# KiCad board misrc_v2.5-rounded.kicad_pcb (continued)
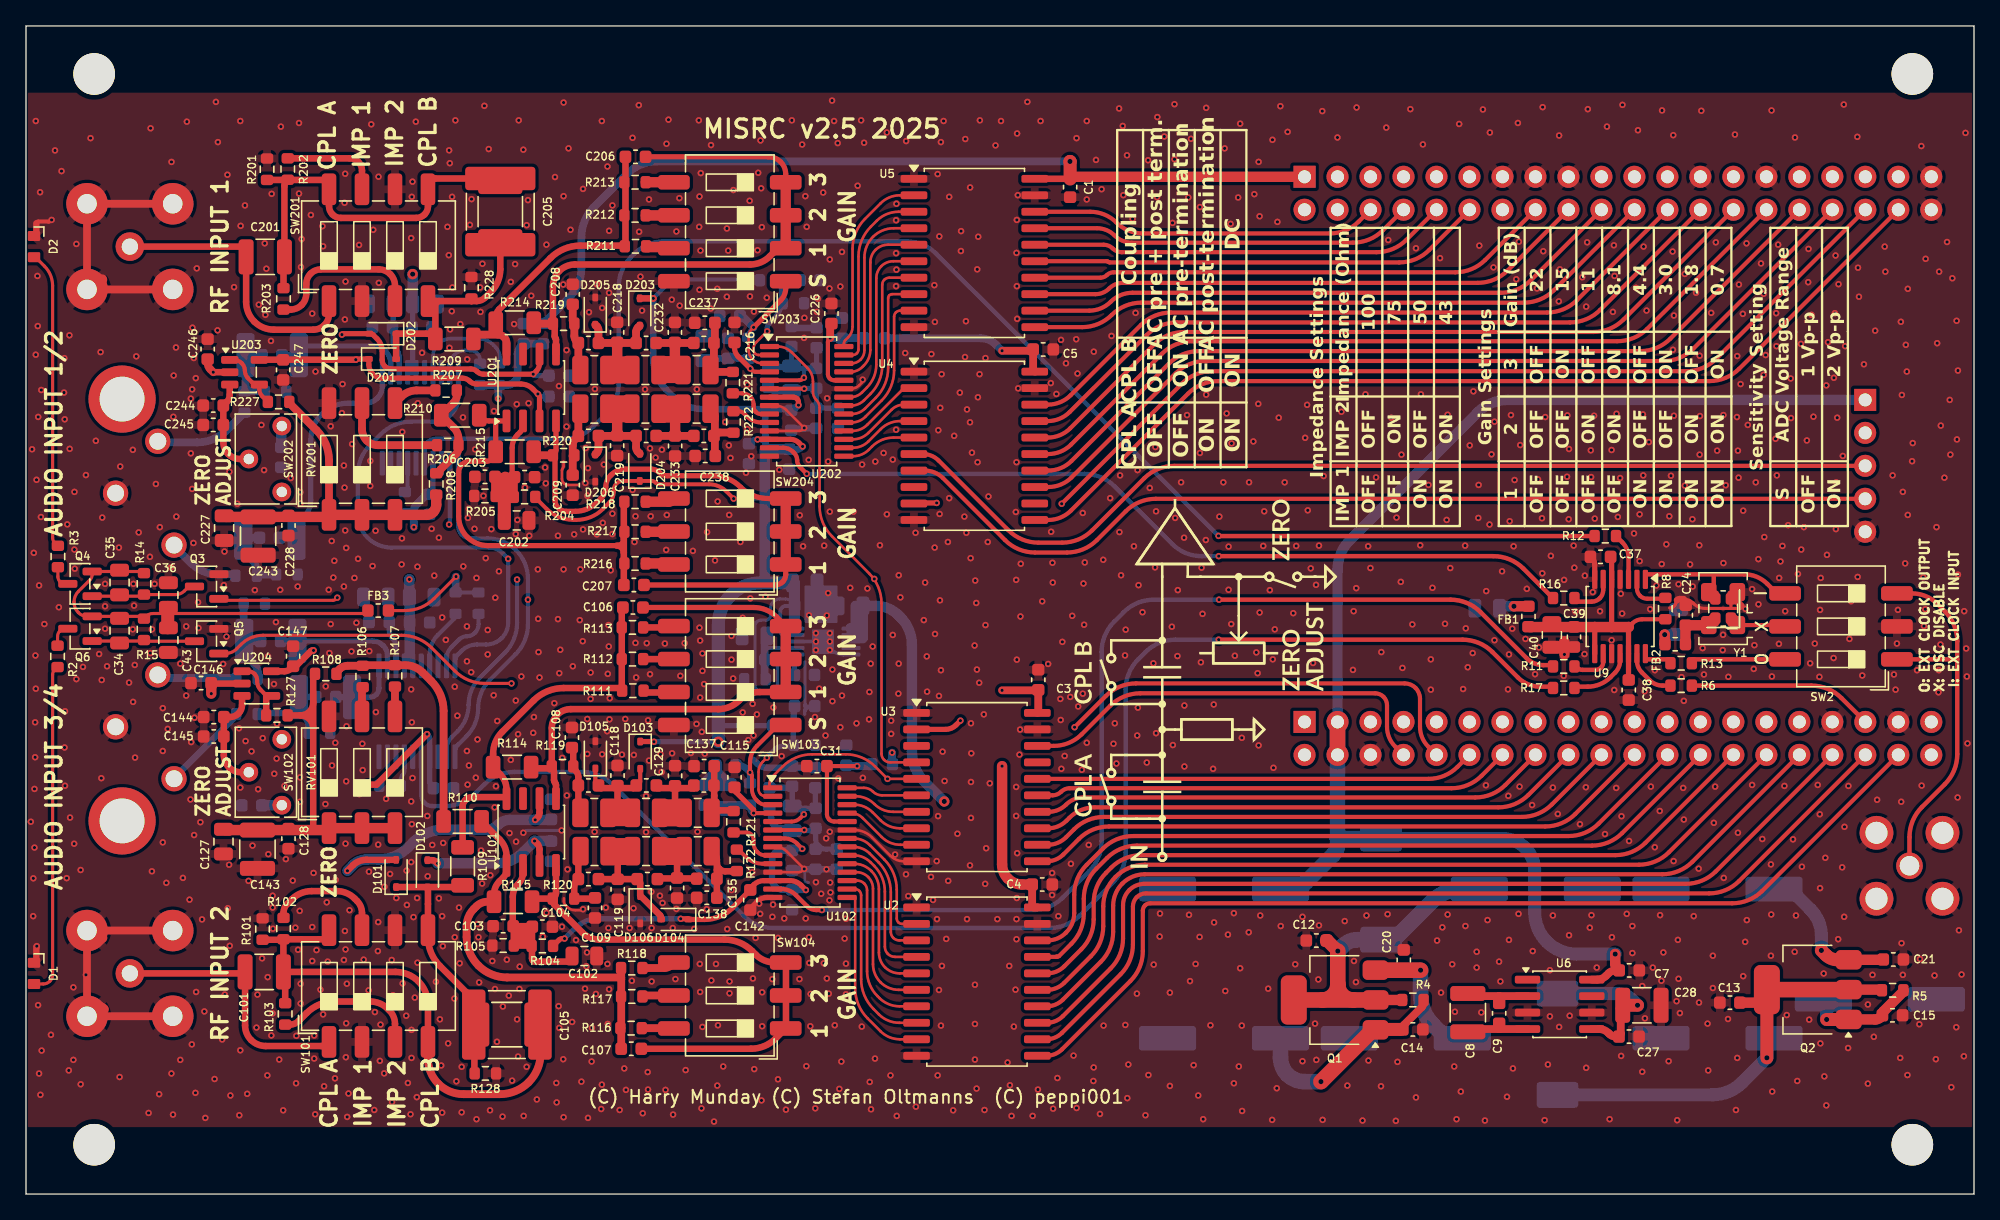
[diagram p0: board, top side]
## Routing (per net, layer and track width the routed paths; a pad name or vN(x,y) marks a point on that pad's centre or on a via; arc(x,y) is an arc through that point) (continued)
VCCQ: length 66.8
  Top w0.24: FB3.1 29.2,44.96 arc(30.4,45.2) 31.41,45.87 v1(33.12,47.57)
  Top w0.5: v1(26.31,31.55) 26.99,31.55 v1(30.88,35.43)
  In1.Cu w0.4: v1(26.31,31.55) 26.28,31.55
  In1.Cu w0.6: v1(36.37,61.29) 34.77,61.29 arc(33.52,61.04) 32.46,60.33 30.82,58.69 arc(30.11,57.63) 29.86,56.38 v1(29.86,51.38) 29.86,51.1 arc(29.92,50.85) 30.06,50.63 v1(33.12,47.57) 31.84,46.29 arc(31.13,45.24) 30.88,43.99 v1(30.88,35.43)
  Bottom w0.32: R408.1 33.09,46.35 arc(33.08,46.35) 33.08,46.35
  Bottom w0.4: v1(30.88,35.43) 30.98,35.33 arc(31.06,35.22) 31.08,35.08 31.08,31.75 arc(31.12,31.57) 31.23,31.41 C309.2 ; v1(26.31,31.55) 27.18,31.55 arc(27.2,31.54) 27.21,31.54 27.22,31.53 ; 31.34,56.31 31.34,54.11
  Bottom w0.5: 35.24,62.24 35.41,62.24 ; 35.39,62.35 35.39,62.34 arc(35.39,62.34) 35.39,62.34
  Bottom w0.6: v1(33.12,47.57) 33.1,47.55 arc(33.08,47.53) 33.08,47.51 33.08,46.36 arc(33.08,46.35) 33.08,46.35 ; FB301.2 39.81,65.51 arc(39.81,65.52) 39.8,65.52 38.65,65.52 arc(38.35,65.46) 38.09,65.29 arc(37.92,65.04) 37.86,64.74 37.86,63.15 arc(37.8,62.84) 37.63,62.58 arc(37.37,62.4) 37.06,62.34 36.45,62.34 ; 36.45,62.34 36.38,62.34 ; 36.45,62.34 arc(36.42,62.34) 36.39,62.32 ; 36.38,62.34 35.39,62.34 ; 36.38,62.34 arc(36.4,62.33) 36.39,62.32 ; v1(36.37,61.29) 36.37,62.26 arc(36.37,62.29) 36.39,62.32 ; C409.2 30.97,53.92 arc(30.88,53.9) 30.81,53.85 30.03,53.08 arc(29.91,52.89) 29.86,52.67 v1(29.86,51.38)
  Bottom w0.8: R305.1 29.65,52.43
VDD: length 248
  Top w0.2: 77.47,37.07 U3.20 arc(77.93,37.08) 77.97,37.11 78.02,37.15
  Top w0.5: 77.47,78.22 80.38,78.22
  Top w0.6: v1(75.16,38.81) 77.88,38.81 arc(77.91,38.82) 77.93,38.83 arc(77.94,38.83) 77.95,38.82 77.95,37.19 arc(77.94,37.15) 77.91,37.11 U3.20 ; U2.20 77.61,22.08 arc(77.56,22.09) 77.51,22.12 arc(77.49,22.17) 77.48,22.22 C4.1 ; 77.68,63.36 77.61,63.43 arc(77.57,63.49) 77.55,63.57 77.55,65 arc(77.53,65.03) 77.5,65.02 arc(77.45,64.99) 77.38,64.97 v1(75.16,64.97)
  Top w0.8: FB2.1 126.19,42.38 arc(126.18,42.39) 126.18,42.41 v2(126.18,43.1) ; J2.1 80.44,78.38 arc(80.42,78.38) 80.41,78.37 C1.1 ; v1(75.16,32.97) 75.16,25.4 arc(75.28,24.81) 75.61,24.3 arc(76.12,23.97) 76.71,23.85 C4.1 ; v2(114.57,45.29) FB1.1
  Top w1: v2(80.39,79.56) 80.39,79.56 arc(80.4,79.55) 80.4,79.54 80.4,78.21
  In1.Cu w0.6: v1(66.69,34.01) 67.21,33.49 arc(67.79,33.1) 68.47,32.97 v1(75.16,32.97) 75.15,32.97
  In1.Cu w0.8: J5.2 140.71,58.65 arc(139.86,58.48) 139.15,58 132.7,51.55 arc(131.99,50.49) 131.74,49.24 131.74,47.22 arc(131.49,45.97) 130.79,44.92 129.93,44.06 arc(128.87,43.35) 127.62,43.1 v2(126.18,43.1) 124.16,43.1 arc(123.77,43.18) 123.45,43.4 arc(123.13,43.61) 122.75,43.69 119.46,43.69 arc(118.42,43.9) 117.53,44.49 117.5,44.52 arc(116.65,45.09) 115.65,45.29 v2(114.57,45.29) 106.38,45.29 arc(105.13,45.04) 104.07,44.33 99.28,39.54 arc(98.66,38.63) 98.45,37.55 J1.1
  In1.Cu w1: 75.16,39.75 v1(75.16,38.81) v1(75.16,32.97) ; 75.16,39.75 v1(75.16,64.97) 75.16,76.35 arc(75.4,77.58) 76.1,78.62 arc(77.14,79.32) 78.37,79.56 v2(80.39,79.56) ; 75.16,39.75 90.51,39.75 arc(91.76,39.5) 92.82,38.79 94.28,37.33 arc(95.34,36.62) 96.59,36.38 J1.1
  Bottom w0.6: 66.12,65.95 66.12,65.94 arc(66.12,65.94) 66.12,65.94 73.51,65.94 arc(74.14,65.81) 74.68,65.46 v1(75.16,64.97) ; FB301.1 39.83,67.08 arc(39.85,67.08) 39.86,67.09 41.81,69.05 arc(42.52,70.1) 42.77,71.35 42.77,73.73 arc(43.02,74.98) 43.72,76.04 46.29,78.61 arc(47.35,79.31) 48.6,79.56 v2(80.39,79.56) ; FB101.1 66.71,33.13 arc(66.7,33.15) 66.69,33.16 v1(66.69,34.01)
  Bottom w0.8: C42.1 127.24,43.11 arc(127.23,43.11) 127.22,43.1 v2(126.18,43.1) ; C41.1 113.54,45.21 arc(113.63,45.27) 113.73,45.29 v2(114.57,45.29)
VDDA: length 168.3
  Top w0.3: v1(54.49,53.58) 53.94,54.13 arc(53.32,54.54) 52.6,54.69 48.79,54.69 arc(48.62,54.72) 48.48,54.81 arc(48.34,54.91) 48.17,54.94 D204.1 45.96,54.94 arc(45.69,54.89) 45.46,54.74 arc(45.31,54.51) 45.26,54.24 45.26,54.08 arc(45.17,53.65) 44.93,53.3 44.42,52.78 arc(43.49,52.16) 42.39,51.94 42.16,51.94 arc(41.03,52.17) 40.08,52.8 39.23,53.65 arc(39.22,53.67) 39.22,53.69 R204.2 ; 59.83,26.6 59.83,26.65
  Top w0.32: v1(59.78,26.6) 59.38,27 arc(58.93,27.3) 58.41,27.4 U102.7
  Top w0.4: v1(50.41,21.21) 50.96,21.21 arc(50.98,21.2) 51,21.19 51.01,21.18 ; v1(59.8,57.6) 59.53,57.88 arc(59.22,58.08) 58.86,58.15 U202.12 56.37,58.15 arc(56.37,58.15) 56.36,58.14 56.36,58.14 ; D103.1 48.33,34.86 arc(48.34,34.86) 48.35,34.86 v1(48.36,34.85) ; D104.1 52.25,21.15 arc(53.4,21.38) 54.37,22.03 C142.1 ; U202.7 59.09,61.4 arc(59.24,61.37) 59.37,61.28 arc(59.45,61.16) 59.48,61.01 v1(59.48,60.78) ; R104.2 41.04,19.57 arc(41.16,19.66) 41.31,19.68 v1(41.47,19.68) ; 57.25,24.15 58.81,24.15 arc(59.29,24.06) 59.69,23.79 v1(60.05,23.42) ; U102.12 56.82,24.15 arc(56.4,24.07) 56.04,23.83 55.72,23.51
  Top w0.5: D203.1 48.3,69.01 arc(48.3,69.01) 48.3,69.01 v1(48.3,69.01)
  In1.Cu w0.8: v2(53.31,34.85) 53.31,27.34 arc(53.56,26.09) 54.26,25.03 54.91,24.38 arc(55.97,23.67) 57.22,23.42 v1(60.05,23.42)
  Bottom w0.24: 59.19,41.57 58.22,41.57 arc(58.08,41.54) 57.96,41.46 arc(57.88,41.34) 57.85,41.2 57.85,39.11 arc(57.83,38.98) 57.75,38.86 arc(57.64,38.79) 57.51,38.76 56.56,38.76 arc(56.4,38.8) 56.25,38.89 arc(56.16,39.03) 56.13,39.2 56.13,43.75 arc(56.16,43.93) 56.27,44.08 arc(56.42,44.19) 56.6,44.22 56.97,44.22 arc(57.11,44.25) 57.22,44.33 arc(57.29,44.44) 57.32,44.57 57.32,45.11 arc(57.38,45.39) 57.54,45.63 arc(57.78,45.79) 58.06,45.85 58.47,45.85 arc(58.73,45.8) 58.96,45.65 59.16,45.44
  Bottom w0.28: U7.9 58.38,43.07 arc(58.27,43.09) 58.17,43.16 arc(58.11,43.25) 58.08,43.37 58.08,44.88 arc(58.12,45.05) 58.21,45.19 arc(58.35,45.28) 58.52,45.32 C26.1 ; 59.19,41.57 arc(59.2,41.56) 59.2,41.54 arc(59.18,41.51) 59.17,41.47
  Bottom w0.3: v1(54.49,53.58) 56.87,53.58 arc(56.88,53.58) 56.88,53.59 arc(56.89,53.59) 56.89,53.6
  Bottom w0.32: R224.1 56.48,70.44 arc(56.45,70.46) 56.41,70.47 50.79,70.47 arc(49.84,70.28) 49.03,69.74 v1(48.3,69.01)
  Bottom w0.4: 59.17,41.47 C33.2 ; 59.83,26.6 59.06,26.6 arc(59.02,26.58) 59,26.54 arc(58.98,26.49) 58.94,26.47 ; v2(53.31,34.85) v1(48.36,34.85) ; v1(41.47,19.68) 42.23,20.45 arc(43.08,21.01) 44.07,21.21 v1(50.41,21.21) ; R124.1 53.31,36.09 ; C242.1 55.87,58.01 arc(56.01,58.11) 56.18,58.14 56.65,58.14 arc(56.85,58.23) 56.94,58.43
  Bottom w0.5: v1(60.05,23.42) 59.04,23.42 arc(59.03,23.43) 59.01,23.44 arc(59,23.45) 58.98,23.45 58.26,23.45 arc(57.95,23.51) 57.69,23.69 arc(57.51,23.95) 57.45,24.26 57.45,25.77 arc(57.5,26.04) 57.66,26.27 arc(57.88,26.42) 58.15,26.47 58.94,26.47 ; v1(59.48,60.78) 59.22,60.53 ; v1(59.8,57.6) 59.69,57.49 arc(59.56,57.4) 59.42,57.38 58.6,57.38 ; 56.94,60.48 52.15,60.48 arc(50.9,60.73) 49.84,61.43 49.26,62.01 arc(48.55,63.07) 48.3,64.32 v1(48.3,69.01) ; 56.94,60.48 arc(56.94,60.48) 56.94,60.48 ; 56.94,60.48 arc(56.94,60.48) 56.94,60.48 ; 56.94,60.48 58.79,60.48 arc(58.84,60.47) 58.89,60.44 C225.1 ; 56.94,60.48 56.94,57.85 ; 56.94,57.85 56.94,57.41 arc(56.95,57.38) 56.97,57.38 ; 56.94,57.85 arc(56.85,58.05) 56.65,58.14
  Bottom w0.8: 58.6,57.38 56.97,57.38 arc(56.94,57.37) 56.91,57.35 ; 56.89,53.58 56.89,57.29 arc(56.9,57.32) 56.91,57.35 ; 56.89,53.58 56.89,47.07 ; 56.89,53.58 arc(56.89,53.59) 56.88,53.59 ; 56.91,57.35 arc(56.93,57.38) 56.94,57.41
  Bottom w1: v2(53.31,34.85) 53.31,43.84 arc(53.56,45.08) 54.26,46.14 arc(55.32,46.84) 56.56,47.09 C25.1
  vias: v1(56.33,58.14)
VDDF: length 3.3
  Top w0.8: 129.42,43.69 129.57,43.83 arc(129.56,43.82) 129.55,43.82 C24.1 ; FB2.2 127.78,43.75
/Audio_ADC/BCK1: length 116.4
  Top w0.32: J1.10 107.97,34.47 arc(107.51,35.17) 107.34,36 107.34,38.16 arc(107.25,38.61) 106.99,39 arc(106.61,39.25) 106.16,39.34 85.47,39.34 arc(84.22,39.1) 83.16,38.39 v1(80.74,35.97)
  In2.Cu w0.32: v1(80.74,35.97) 80.24,35.47 arc(79.7,35.1) 79.05,34.98 72.9,34.98 arc(72.24,35.11) 71.67,35.48 arc(71.3,36.05) 71.16,36.71 71.16,46.31 arc(71.01,47.1) 70.55,47.78 arc(69.88,48.23) 69.08,48.39 56.16,48.39 arc(54.91,48.14) 53.85,47.43 53.17,46.75 arc(52.11,46.04) 50.86,45.8 v1(38.65,45.8)
  Bottom w0.32: 33.29,56.31 33.29,51.44 arc(33.36,51.09) 33.56,50.79 arc(33.86,50.59) 34.21,50.52 35.53,50.52 arc(36.73,50.28) 37.74,49.61 arc(38.41,48.59) 38.65,47.4 v1(38.65,45.8) 38.65,43.9 arc(38.4,42.65) 37.7,41.59 35.72,39.61 arc(35.05,38.61) 34.82,37.44 34.82,37.43 arc(34.59,36.26) 33.93,35.28 33.28,34.63 arc(33.1,34.36) 33.03,34.04 33.03,33.69
/Audio_ADC/DOUT1: length 62.8
  Top w0.4: 68.17,35.8 70.8,35.8 arc(71.24,35.89) 71.61,36.14 v1(71.95,36.47)
  In2.Cu w0.32: v1(71.95,36.47) 71.95,46.26 arc(71.73,47.36) 71.11,48.28 arc(70.19,48.91) 69.09,49.12 55.8,49.12 arc(54.55,48.87) 53.49,48.17 52.82,47.49 arc(51.76,46.78) 50.51,46.53 38.05,46.53 arc(36.8,46.78) 35.74,47.49 32.91,50.31 arc(32.67,50.68) 32.58,51.12 v1(32.58,51.59)
  Bottom w0.32: 32.64,56.31 32.64,51.68 arc(32.63,51.65) 32.61,51.62 v1(32.58,51.59)
/Audio_ADC/DOUT2: length 51.9
  Top w0.4: v1(70.12,53.25) 68.25,53.25 arc(68.22,53.24) 68.2,53.23 68.17,53.2
  In2.Cu w0.32: v1(70.12,53.25) 57.59,53.25 arc(56.34,53) 55.29,52.29 51.29,48.3 arc(50.23,47.59) 48.98,47.34 v1(37.81,47.34)
  Bottom w0.32: 32.38,33.69 32.38,34.25 arc(32.49,34.76) 32.78,35.2 33.23,35.65 arc(33.86,36.59) 34.08,37.7 34.08,37.71 arc(34.3,38.82) 34.93,39.77 36.86,41.69 arc(37.57,42.75) 37.81,44 v1(37.81,47.34)
/Audio_ADC/LRCK1: length 156.2
  Top w0.32: v1(79.75,53.19) 89,62.44 arc(90.06,63.15) 91.31,63.4 127.84,63.4 arc(129.09,63.65) 130.14,64.35 J2.36
  In2.Cu w0.32: v1(79.75,53.19) 77.49,53.19 arc(76.67,53.35) 75.97,53.82 arc(75.27,54.29) 74.44,54.45 54.42,54.45 arc(53.18,54.2) 52.12,53.49 48.52,49.9 arc(47.46,49.19) 46.22,48.95 v1(37.13,48.95)
  Bottom w0.32: 33.29,63.32 33.29,61.37 arc(33.15,60.66) 32.74,60.06 arc(32.14,59.65) 31.43,59.51 29.64,59.51 arc(28.39,59.26) 27.33,58.56 26.5,57.72 arc(25.79,56.67) 25.55,55.42 25.55,52.41 arc(25.74,51.41) 26.31,50.57 arc(27.15,50.01) 28.15,49.81 35.65,49.81 arc(36.22,49.7) 36.7,49.38 v1(37.13,48.95) 37.13,44.03 arc(37,43.39) 36.63,42.84 arc(36.08,42.47) 35.44,42.34 34.73,42.34 arc(34.08,42.21) 33.53,41.84 33.26,41.57 arc(33.09,41.32) 33.03,41.02 33.03,40.7
/Audio_ADC/SCKI1: length 112.5
  Top w0.338: R12.2 91.84,50.7
  Bottom w0.338: U301.15 30.69,57.34 arc(30.75,57.67) 30.94,57.94 arc(31.21,58.13) 31.54,58.19 41.39,58.19 arc(42.64,58.44) 43.7,59.15 44.68,60.13 arc(45.39,61.19) 45.64,62.44 45.64,69.89 arc(45.89,71.14) 46.59,72.2 46.84,72.45 arc(47.9,73.16) 49.15,73.41 67.78,73.41 arc(69.03,73.16) 70.09,72.45 v1(91.83,50.71)
/Audio_ADC/SCKI2: length 114.9
  Top w0.338: v1(91.84,42.71) 110.61,42.71 arc(111.86,42.46) 112.92,41.76 114.88,39.8 arc(115.66,39.28) 116.58,39.09 117.58,39.09
  Bottom w0.338: 30.43,33.69 30.43,30.74 arc(30.5,30.42) 30.68,30.14 arc(30.96,29.96) 31.28,29.9 32.28,29.9 arc(33.52,30.14) 34.58,30.85 35.3,31.57 arc(36.35,32.28) 37.6,32.52 42.82,32.52 arc(44.07,32.28) 45.13,31.57 55.25,21.45 arc(56.31,20.75) 57.56,20.5 78.83,20.5 arc(80.08,20.75) 81.14,21.45 83.72,24.04 arc(84.43,25.1) 84.68,26.35 84.68,38.88 arc(84.93,40.13) 85.63,41.19 86.2,41.76 arc(87.26,42.46) 88.51,42.71 v1(91.84,42.71)
/AUX1: length 77.1
  Top w0.32: J5.4 86.99,53.57 arc(85.75,53.32) 84.69,52.61 82.46,50.38 arc(81.4,49.68) 80.15,49.43 77.7,49.43 arc(76.45,49.68) 75.39,50.38 70.61,55.16 arc(69.97,55.59) 69.2,55.75 U4.7
  Top w0.4: 68.18,55.75 68.17,55.75
/AUX2: length 78
  Top w0.32: J5.3 88.42,56.11 arc(87.17,55.86) 86.11,55.15 82.1,51.15 arc(81.04,50.44) 79.79,50.19 77.95,50.19 arc(76.7,50.44) 75.64,51.15 70.27,56.52 arc(69.72,56.89) 69.07,57.02 U4.6
/clk_in: length 13.3
  Top w0.338: SW2.4 135.13,46.28 arc(134.84,46.34) 134.59,46.5 134.08,47.01 arc(133.27,47.56) 132.3,47.75 129.95,47.75 ; 129.95,47.75 129.94,47.75 ; 129.95,47.75 arc(129.95,47.75) 129.95,47.75 ; U9.1 124.7,47.69 arc(124.7,47.71) 124.71,47.73 arc(124.73,47.75) 124.76,47.75 129.94,47.75 ; 129.94,47.75 arc(129.95,47.75) 129.95,47.75 ; Y1.3 129.96,47.73 arc(129.96,47.74) 129.95,47.75
/clk_out: length 7.2
  Top w0.338: SW2.6 128.27,41.2
/DA0: length 14.4
  Top w0.2: 68.17,11.92 67.3,11.92 arc(66.48,12.09) 65.8,12.55 64.81,13.54 arc(64.1,14.6) 63.85,15.85 63.85,22.81 arc(63.85,22.82) 63.84,22.84 arc(63.82,22.85) 63.81,22.85 62.97,22.85
/DA1: length 13.9
  Top w0.2: 62.97,23.5 63.83,23.5 arc(64.01,23.46) 64.17,23.36 arc(64.27,23.2) 64.31,23.02 64.31,16.56 arc(64.55,15.31) 65.26,14.25 65.67,13.85 arc(66.39,13.36) 67.25,13.19 68.17,13.19
/DA2: length 13.4
  Top w0.2: 68.17,14.46 67.26,14.46 arc(66.42,14.63) 65.71,15.11 65.56,15.26 arc(64.97,16.14) 64.76,17.18 64.76,23.4 arc(64.71,23.69) 64.54,23.93 arc(64.3,24.09) 64.01,24.15 62.97,24.15
/DA3: length 12.9
  Top w0.2: 62.97,24.8 63.95,24.8 arc(64.43,24.7) 64.85,24.43 arc(65.12,24.01) 65.22,23.53 65.22,17.72 arc(65.37,16.96) 65.8,16.32 arc(66.45,15.89) 67.2,15.73 68.17,15.73
/DA4: length 12.1
  Top w0.2: 62.97,25.45 63.76,25.45 arc(64.48,25.31) 65.09,24.9 65.11,24.88 arc(65.53,24.25) 65.68,23.5 65.68,18.6 arc(65.8,17.99) 66.15,17.47 arc(66.66,17.13) 67.27,17 68.17,17
/DA5: length 11.5
  Top w0.2: 62.97,26.1 63.73,26.1 arc(64.44,25.96) 65.03,25.56 65.31,25.28 arc(65.92,24.37) 66.14,23.3 66.14,19.06 arc(66.19,18.76) 66.36,18.5 arc(66.62,18.33) 66.92,18.27 68.17,18.27
/DA6: length 10.7
  Top w0.2: 62.97,26.75 63.71,26.75 arc(64.4,26.61) 64.98,26.23 65.64,25.57 arc(66.34,24.51) 66.59,23.26 66.59,20.19 arc(66.64,19.95) 66.78,19.73 arc(66.99,19.59) 67.24,19.54 68.17,19.54
/DA7: length 9.9
  Top w0.2: 62.97,27.4 63.72,27.4 arc(64.41,27.26) 64.99,26.87 66.09,25.77 arc(66.8,24.71) 67.05,23.46 67.05,21.23 arc(67.08,21.07) 67.17,20.94 arc(67.3,20.85) 67.46,20.81 68.17,20.81
/DA8: length 6.1
  Top w0.2: 68.17,26.91 67.33,26.91 arc(66.55,27.06) 65.89,27.51 64.43,28.97 arc(64.01,29.25) 63.51,29.35 62.97,29.35
/DA9: length 5.8
  Top w0.2: 68.17,28.18 67.3,28.18 arc(66.49,28.34) 65.8,28.8 65.17,29.43 arc(64.54,29.85) 63.79,30 62.97,30
/DA10: length 5.1
  Top w0.2: 67.78,29.45 66.77,29.45 arc(65.99,29.61) 65.33,30.05 arc(64.66,30.49) 63.88,30.65 62.97,30.65
/DA11: length 5
  Top w0.2: 62.97,31.3 64.51,31.3 arc(64.89,31.22) 65.22,31.01 arc(65.54,30.8) 65.92,30.72 67.78,30.72
/DB0: length 5.2
  Top w0.2: 67.78,58.28 66.81,58.28 arc(65.91,58.11) 65.15,57.6 64.9,57.35 arc(64.35,56.98) 63.69,56.85 U202.15
/DB1: length 5.9
  Top w0.2: 68.17,59.56 67.3,59.56 arc(66.5,59.39) 65.82,58.94 64.87,58 arc(64.32,57.63) 63.68,57.5 U202.16
/DB2: length 6.2
  Top w0.2: U202.17 63.67,58.15 arc(64.31,58.28) 64.86,58.64 66.64,60.42 arc(67.09,60.72) 67.61,60.83 68.17,60.83
/DB3: length 6.5
  Top w0.2: U202.18 63.64,58.8 arc(64.26,58.92) 64.78,59.27 67.4,61.89 arc(67.62,62.04) 67.89,62.09 67.52,62.09
/DB4: length 11.9
  Top w0.2: 68.17,68.06 67.31,68.06 arc(67.13,68.03) 66.98,67.93 arc(66.88,67.78) 66.85,67.6 66.85,63.45 arc(66.6,62.21) 65.89,61.15 64.62,59.88 arc(64.15,59.56) 63.58,59.45 U202.19
/DB5: length 12.8
  Top w0.2: 68.17,69.33 66.68,69.33 arc(66.57,69.31) 66.47,69.25 arc(66.41,69.15) 66.39,69.04 66.39,63.66 arc(66.14,62.41) 65.43,61.35 64.61,60.53 arc(64.14,60.21) 63.58,60.1 U202.20
/DB6: length 13.6
  Top w0.2: 68.17,70.6 66.47,70.6 arc(66.27,70.56) 66.09,70.45 arc(65.97,70.27) 65.93,70.06 65.93,63.84 arc(65.7,62.66) 65.03,61.65 64.53,61.16 arc(64.08,60.86) 63.55,60.75 U202.21
/DB7: length 14.1
  Top w0.2: U202.22 63.49,61.4 arc(63.97,61.5) 64.38,61.77 64.74,62.13 arc(65.28,62.94) 65.47,63.9 65.47,70.56 arc(65.57,71.06) 65.86,71.49 arc(66.29,71.77) 66.79,71.87 68.17,71.87
/DB8: length 13.3
  Top w0.2: U202.25 63.5,63.35 arc(63.99,63.45) 64.4,63.72 64.52,63.85 arc(64.89,64.4) 65.02,65.04 65.02,71.79 arc(65.12,72.31) 65.42,72.75 arc(65.86,73.04) 66.38,73.14 67.78,73.14
/DB9: length 13.8
  Top w0.2: 67.78,74.41 66.82,74.41 arc(65.95,74.24) 65.22,73.75 arc(64.73,73.02) 64.56,72.16 64.56,65 arc(64.48,64.62) 64.27,64.29 arc(63.94,64.08) 63.56,64 U202.26
/DB10: length 14.6
  Top w0.2: U202.27 63.67,64.65 arc(63.84,64.68) 63.98,64.78 arc(64.07,64.92) 64.1,65.08 64.1,72.23 arc(64.35,73.48) 65.06,74.54 65.51,74.99 arc(66.28,75.5) 67.19,75.68 68.17,75.68
/DB11: length 14.5
  Top w0.2: U202.28 62.97,65.49 arc(63.01,65.66) 63.11,65.81 63.31,66.01 arc(63.56,66.38) 63.65,66.82 63.65,72.82 arc(63.89,74.07) 64.6,75.13 65.8,76.33 arc(66.49,76.79) 67.3,76.95 68.17,76.95
/Input_ADC_CH1/CLK: length 65.1
  Top w0.338: v1(60.12,55.5) 59.6,56.01 arc(59.44,56.26) 59.38,56.55 arc(59.32,56.85) 59.15,57.09 59.06,57.19 arc(58.71,57.42) 58.3,57.5 U202.13 ; 117.58,45.77 117.58,45.84 arc(117.57,45.9) 117.53,45.96 115.3,48.19 arc(114.24,48.9) 112.99,49.15 v1(91.84,49.15)
  Bottom w0.338: v1(60.12,55.5) 60.12,55.49 arc(60.13,55.49) 60.14,55.48 81.51,55.48 arc(82.76,55.24) 83.82,54.53 88.26,50.08 arc(89.3,49.39) 90.52,49.15 v1(91.84,49.15)
/Input_ADC_CH2/CLK: length 82
  Top w0.338: v1(91.87,45.8) 109.69,45.8 arc(110.94,45.55) 112,44.84 115.56,41.28 arc(116.14,40.89) 116.83,40.75 117.58,40.75 ; U102.13 58.16,23.5 arc(58.76,23.38) 59.28,23.04 60.13,22.18 arc(60.46,21.96) 60.86,21.88 v1(61.28,21.88)
  Bottom w0.338: v1(61.28,21.88) 77.52,21.88 arc(78.77,22.13) 79.83,22.84 81.87,24.87 arc(82.57,25.93) 82.82,27.18 82.82,41.78 arc(83.07,43.03) 83.78,44.08 84.53,44.84 arc(85.59,45.55) 86.84,45.8 v1(91.87,45.8)
/osc_en: length 4.3
  Top w0.32: SW2.5 135.4,43.79 arc(135.35,43.83) 135.28,43.84 Y3.1 ; Y1.1 131.98,44.19
/OTRA: length 67.9
  Top w0.2: 57.25,31.3 57.25,31.62 arc(57.31,31.91) 57.47,32.16 58.24,32.93 arc(59.3,33.63) 60.55,33.88 63.11,33.88 arc(64.34,33.64) 65.39,32.94 v1(66.34,31.99) 67.78,31.99
  Top w0.24: v1(37.38,39.34) 35.33,39.34 arc(34.08,39.59) 33.02,40.3 31.23,42.1 arc(30.17,42.8) 28.92,43.05 18.26,43.05 arc(17.34,42.87) 16.56,42.35 16.21,42 arc(15.82,41.74) 15.35,41.65 Q5.1
  In2.Cu w0.24: v1(66.34,31.99) 66.33,31.99 arc(66.33,31.99) 66.32,31.99 65.36,32.95 arc(64.31,33.66) 63.06,33.91 60.88,33.91 arc(59.63,34.16) 58.57,34.86 57.97,35.47 arc(57.11,36.04) 56.1,36.25 55.8,36.25 arc(55.07,36.39) 54.45,36.8 arc(53.83,37.22) 53.1,37.36 43.96,37.36 arc(43.09,37.53) 42.36,38.02 arc(41.63,38.51) 40.77,38.68 38.51,38.68 arc(38.08,38.77) 37.71,39.01 v1(37.38,39.34)
/OTRB: length 90
  Top w0.2: 68.17,33.26 66.54,33.26 arc(66.29,33.31) 66.07,33.45 arc(65.93,33.67) 65.88,33.93 65.88,45.52 arc(65.63,46.77) 64.92,47.82 62.06,50.68 arc(61.35,51.74) 61.11,52.99 61.11,60.57 arc(61.04,60.91) 60.85,61.19 arc(60.66,61.47) 60.6,61.8 60.6,62.61 arc(60.49,63.17) 60.17,63.65 58.97,64.85 arc(58.47,65.18) 57.88,65.3 U202.1
  Top w0.24: v1(23.97,45.95) 23.87,45.85 arc(23.76,45.77) 23.62,45.74 14.54,45.74 arc(14.47,45.76) 14.4,45.8 14.34,45.86
  In2.Cu w0.24: v1(65.32,47.4) 56.13,47.4 arc(54.88,47.15) 53.83,46.44 53.4,46.02 arc(52.34,45.31) 51.09,45.06 25.49,45.06 arc(24.91,45.17) 24.42,45.5 v1(23.97,45.95)
IN1_L: length 5.5
  Bottom w0.6: 11.4,49.92 12.68,48.64 arc(13.67,47.97) 14.85,47.74 16.12,47.74
IN1_R: length 7.5
  Bottom w0.6: R301.1 15.49,58.87 arc(14.43,58.16) 13.18,57.92 10.15,57.92
IN2_L: length 6.9
  Bottom w0.5: 16.19,36.93 16.19,36.89 arc(16.18,36.85) 16.16,36.81 11.42,32.08 arc(11.41,32.05) 11.4,32.03 J301.2
IN2_R: length 6.1
  Bottom w0.6: 16.2,39.75 10.43,39.75 arc(10.32,39.77) 10.23,39.83 10.15,39.92
VD: length 31.9
  Top w0.24: 7.23,47.96 8.96,47.96 arc(9.01,47.96) 9.05,47.93 9.09,47.89 ; 7.23,47.96 7.18,47.96 ; 7.23,47.96 arc(7.21,47.97) 7.21,47.99 ; 26.27,44.73 9.76,44.73 arc(9.5,44.68) 9.28,44.53 9.17,44.42 arc(9.09,44.39) 9,44.42 arc(8.9,44.49) 8.79,44.51 4.71,44.51 arc(4.36,44.58) 4.05,44.78 4.01,44.82 arc(3.78,45.17) 3.7,45.58 3.7,45.62 arc(3.79,46.06) 4.04,46.44 4.93,47.33 arc(5.05,47.51) 5.1,47.73 Q4.2 7.18,47.96 ; 7.21,47.99 7.21,48.02 ; 7.21,47.99 arc(7.2,47.97) 7.18,47.96
  Top w1: 10.92,43.63 10.92,45.2
Net-(C37-Pad1): length 22.3
  Top w0.32: 123.4,43.68 123.71,43.99 arc(124.04,44.21) 124.43,44.28 R8.2
  Top w0.4: 120.8,43.69 U9.8 ; C37.1 122.06,49.06 arc(122.09,49.01) 122.1,48.96 U9.5 122.1,43.69 arc(122.09,43.69) 122.09,43.69 arc(122.09,43.69) 122.09,43.69 ; C38.1 123.4,39.62 arc(123.4,39.63) 123.4,39.64 U9.12 123.4,43.66 arc(123.4,43.67) 123.4,43.68 arc(123.4,43.68) 123.4,43.69
  Top w0.8: 115.78,43.69 122.09,43.69 ; 122.09,43.69 123.4,43.69 arc(123.41,43.69) 123.42,43.69 ; 122.09,43.69 arc(122.09,43.69) 122.09,43.69
Net-(C101-Pad2): length 42
  Top w0.2: SW101.8 23.33,19.89 arc(23.31,19.79) 23.26,19.71 arc(23.17,19.65) 23.07,19.63
  Top w0.5: 19.83,19.62 19.81,19.61 arc(19.79,19.6) 19.77,19.59 R101.2 ; 19.83,19.62 arc(19.83,19.63) 19.84,19.63 ; 19.83,19.62 arc(19.83,19.63) 19.84,19.63 ; 19.83,19.62 arc(19.82,19.62) 19.82,19.61 19.82,17.21 ; 19.82,17.21 arc(19.84,17.12) 19.89,17.04 ; 19.82,17.21 arc(19.85,17.14) 19.92,17.11 ; 23.07,19.63 19.84,19.63 ; 19.92,17.11 28.45,17.11 arc(29.41,16.92) 30.22,16.38 arc(30.76,15.57) 30.95,14.61 30.95,12.5 ; 19.92,17.11 arc(19.88,17.09) 19.89,17.04 ; 19.96,14.71 19.96,16.88 arc(19.94,16.97) 19.89,17.04
  Top w0.6: 39.63,13.18 39.63,10.83 arc(39.39,9.63) 38.71,8.62 arc(37.69,7.93) 36.49,7.7 33.69,7.7 arc(32.64,7.9) 31.76,8.5 arc(31.16,9.38) 30.95,10.43 30.95,12.5
Net-(C106-Pad2): length 43.2
  Top w0.4: SW103.4 57.78,44.48 arc(56.99,45.01) 56.05,45.19 47.51,45.19
  Top w0.5: R114.2 38.94,32.85 arc(38.99,32.81) 39.05,32.8 40.37,32.8 ; 40.49,32.92 40.49,35.9 arc(40.6,36.46) 40.92,36.93 arc(41.39,37.25) 41.95,37.36 53.32,37.36 arc(54.18,37.53) 54.91,38.02 arc(55.64,38.51) 56.5,38.68 SW103.2 ; 40.49,32.92 arc(40.51,32.81) 40.57,32.72 ; 40.49,32.92 arc(40.45,32.84) 40.37,32.8 ; 40.37,32.8 arc(40.48,32.78) 40.57,32.72 ; U101.5 40.81,31.51 arc(40.79,31.61) 40.74,31.7 arc(40.68,31.78) 40.66,31.88 40.66,32.51 arc(40.64,32.62) 40.57,32.72
  Top w0.8: 58.5,41.23 SW103.3 ; 58.5,41.23 58.5,41.26 ; 58.5,41.23 58.5,41.26 ; 58.5,41.23 SW103.2 ; 58.5,41.26 SW103.4
